# Altium PCB xialeste.PcbDoc (part 7 of 10) (continued)
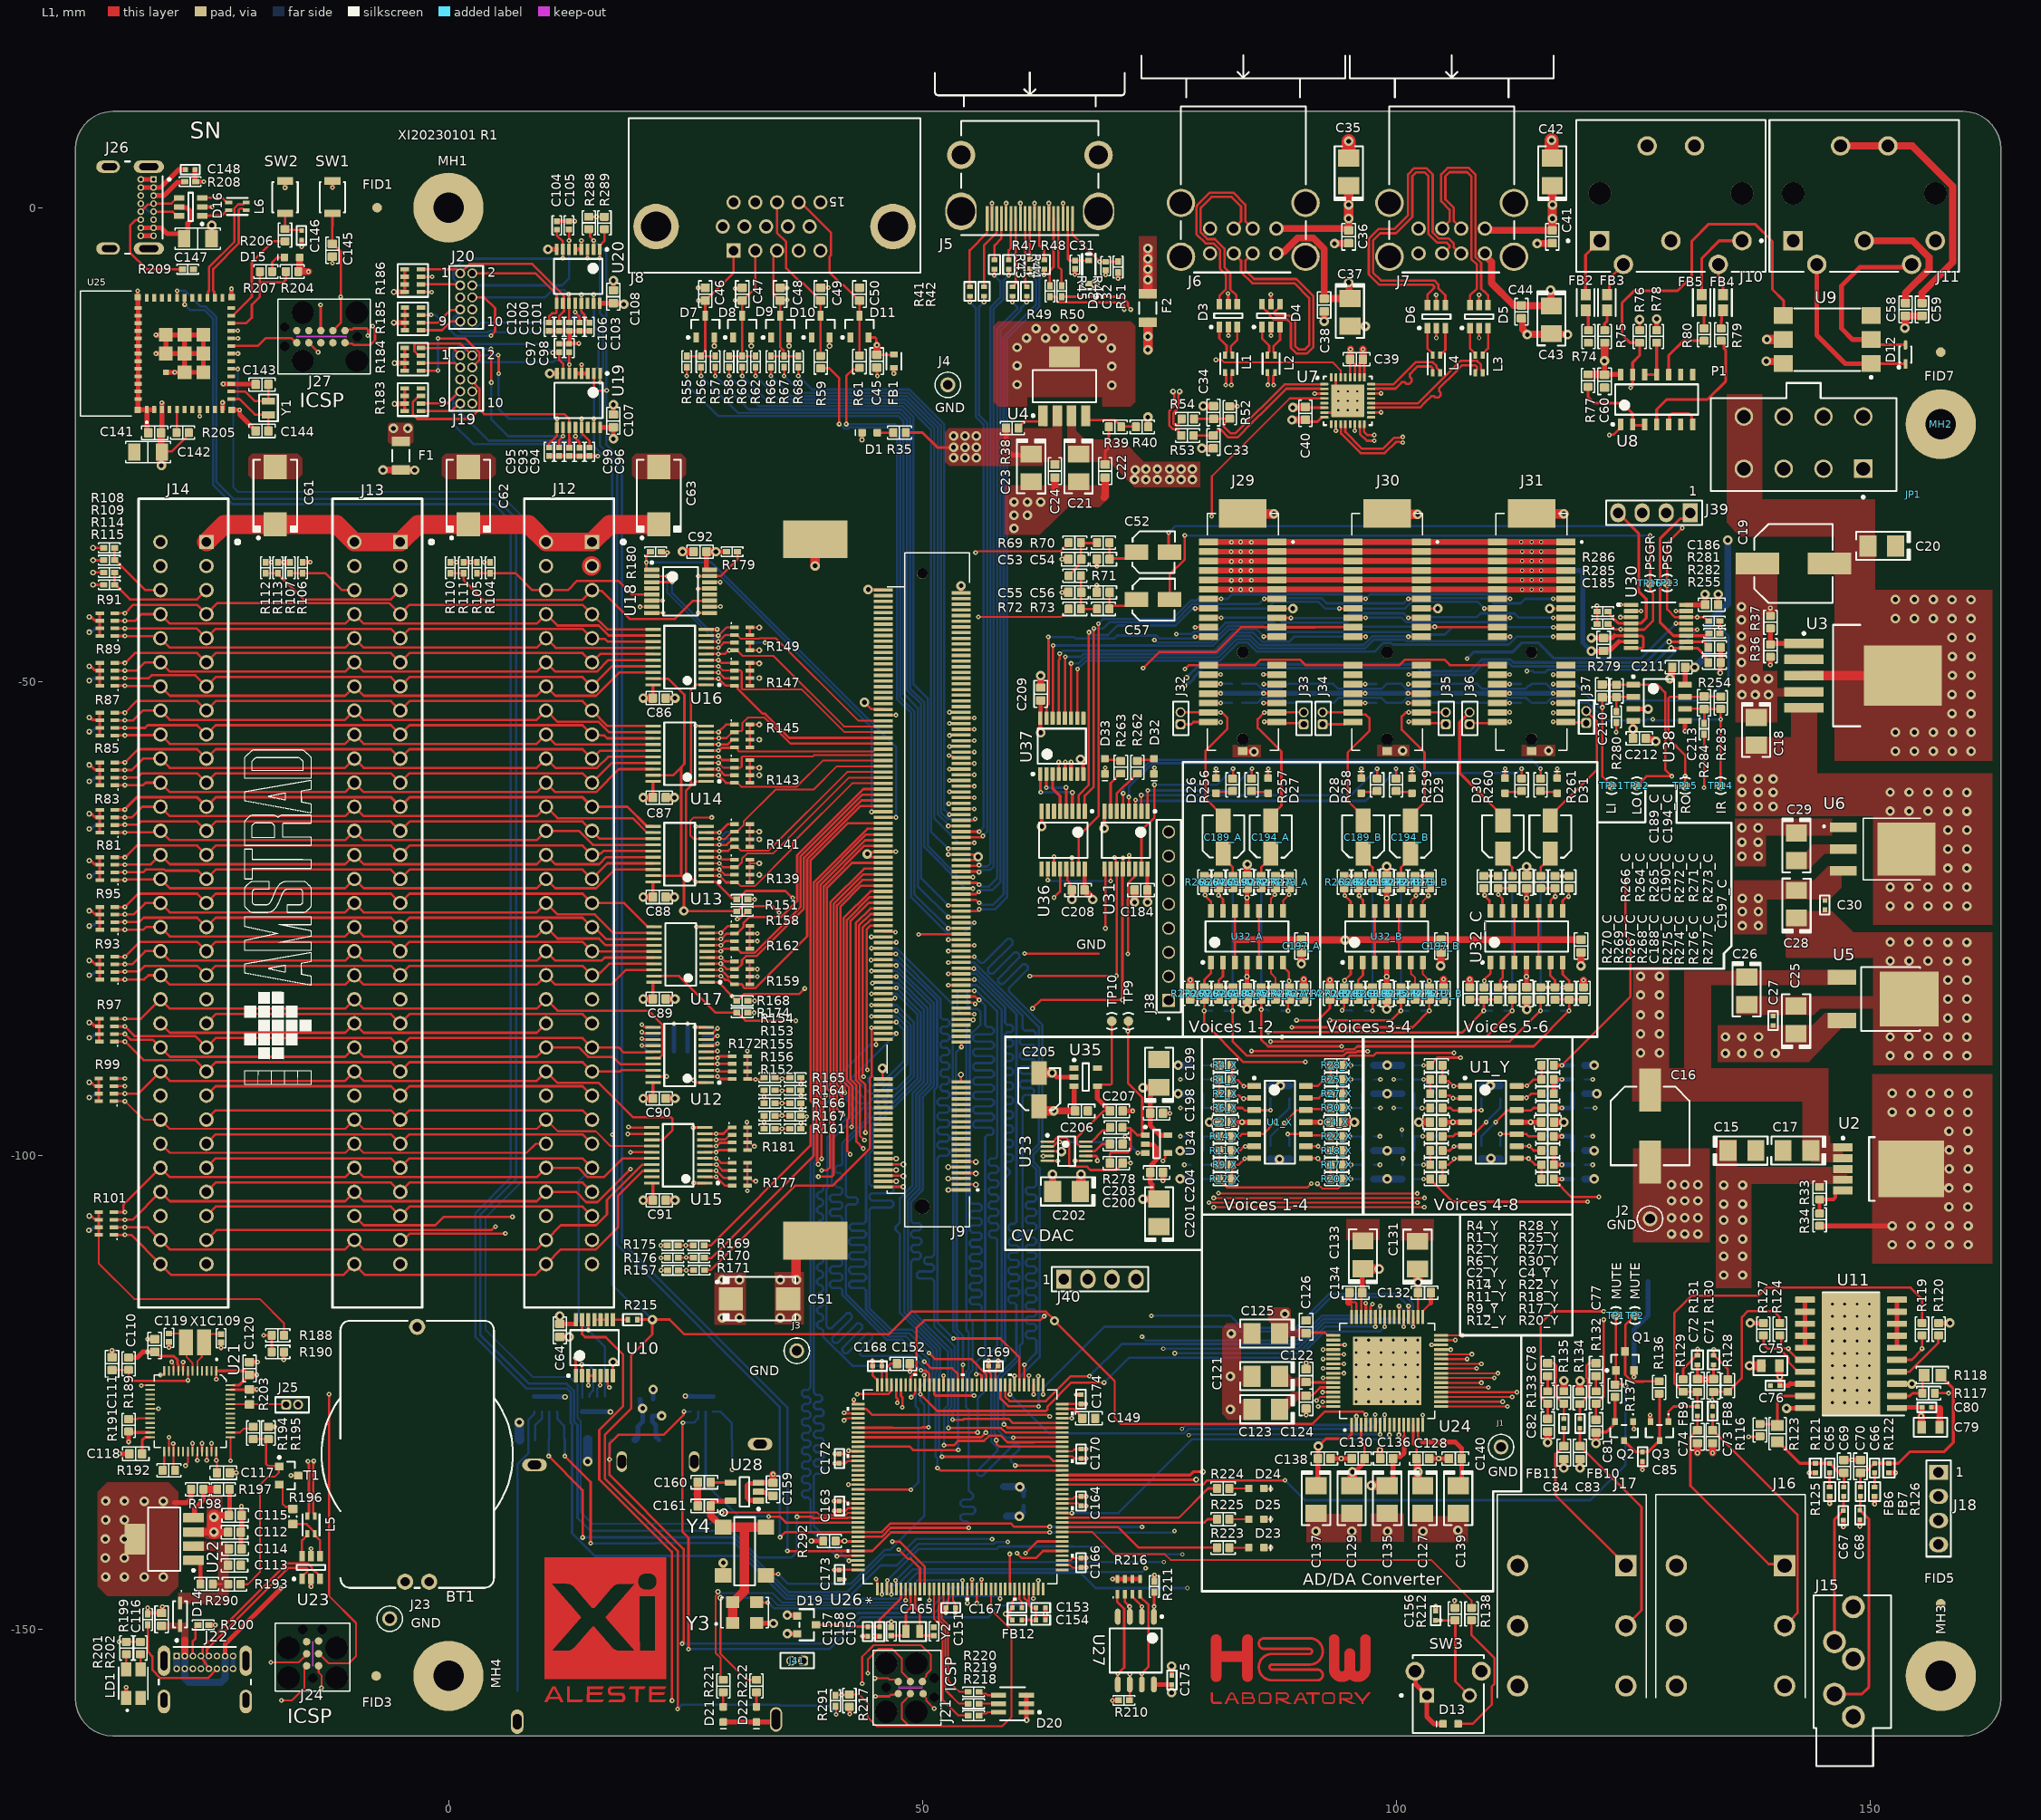
[diagram p0: L1 view]
## Nets (pads, with @x,y where several pads share a name; then routed paths per layer and width w, separated by ;. In a path a pad name is that pad's centre, name@x,y a point inside that pad or via, vN(x,y) a via of type N, cw(c..) or ccw(c..) an arc to the next point about the centre after c; other vN are vias at no path point) (continued)
  L1 w0.2: U21.35@-25,-131.25 v1(-25,-130.4) ; R203.2@-21.05,-124.75 R203.2@-21,-124.7 ; v1(-12.25,-5.85) C145.1@-12.25,-5.175 ; J28.S5@34.29,-159.8 J28.S5@34.57,-159.52 ; C163.2@41.25,-136.5 41.897,-136.5 42.147,-136.75 U26.130@43.224,-136.75 ; C172.2@41.25,-131.5 41.897,-131.5 42.147,-131.75 U26.120@43.224,-131.75 ; U26.107@45.75,-124.224 C168.2@45.75,-122.25 ; J21.5@50.09,-156.81 50.09,-156.97 50.432,-157.312 50.432,-157.567 v1(51.257,-158.391) ; C165.2@52.5,-147.75 52.65,-147.6 52.65,-147.1 52.75,-147 U26.16@52.75,-145.776 ; U26.83@57.75,-124.224 57.75,-122.5 C169.2@58,-122.25 ; U26.31@60.25,-145.776 60.25,-146.85 60.5,-147.1 C167.2@60.5,-147.75 ; U26.38@64.776,-143.25 64.782,-143.256 65.602,-143.256 65.846,-143.5 C166.2@66.75,-143.5 ; U26.51@64.776,-136.75 66.5,-136.75 C164.2@66.75,-137 ; U26.61@64.776,-131.75 65.853,-131.75 66.103,-132 C170.2@66.75,-132 ; v1@67.291,-137 v1(67.297,-137.007) ; D23.1@86.05,-141.4 v1(86.8,-141.4) ; D25.1@86.05,-138.4 v1(86.8,-138.4) ; D24.1@86.05,-135.15 86.1,-135.2 v1@86.7,-135.2 ; U24.48@95.31,-117.05 95.31,-115.81 95,-115.5 95.693,-115.5 95.81,-115.617 U24.47@95.81,-117.05
  L1 w0.25: v1(26.083,-65.305) 26.088,-65.299 27.194,-65.299 U13.10@27.2,-65.294 ; v1(26.083,-54.675) 26.095,-54.688 27.187,-54.688 U14.10@27.2,-54.7 ; v1(26.176,-75.887) U17.10@27.3,-75.887 ; R168.2@31.575,-83.7 v1(32.3,-83.7) ; R151.2@31.575,-73 v1(32.297,-73) ; v2(43.9,-52.2) 44.6,-52.9 45.85,-52.9 J9.158@45.9,-52.95 ; v2(44.3,-40.3) 44.325,-40.325 45.875,-40.325 J9.200@45.9,-40.35 ; v2(45.8,-90.8) 45.8,-91.9 45.85,-91.95 J9.40@45.9,-91.95 ; J9.56@45.9,-83.55 45.95,-83.5 46.974,-83.5 47.06,-83.414 v1(47.114,-83.414) ; J9.106@45.9,-68.55 44.55,-68.55 v2(44.2,-68.2) 44.403,-68.2 44.603,-68 45.85,-68 J9.108@45.9,-67.95 v1(47.2,-67.95) ; v1(52.238,-123.253) 52.244,-123.259 52.244,-124.218 U26.94@52.25,-124.224 ; v3(52.742,-102.467) 52.75,-102.459 54.091,-102.459 J9.5@54.1,-102.45 ; v3(52.742,-101.246) 52.744,-101.248 54.098,-101.248 J9.9@54.1,-101.25 ; v3(52.75,-103.65) J9.1@54.1,-103.65 ; v1(52.75,-68.25) J9.107@54.1,-68.25 54.115,-68.265 55.475,-68.265 55.56,-68.35 55.75,-68.35 v2(55.9,-68.5) 55.55,-68.85 J9.105@54.1,-68.85 ; v1(52.875,-53.25) J9.157@54.1,-53.25 ; v3(54.083,-91.49) 54.083,-92.233 J9.39@54.1,-92.25 ; J9.3@54.1,-103.05 54.126,-103.076 55.627,-103.076 v3(55.653,-103.102) ; J9.7@54.1,-101.85 54.135,-101.885 55.618,-101.885 v3(55.653,-101.921) ; J9.11@54.1,-100.65 54.127,-100.677 55.626,-100.677 v3(55.653,-100.703) ; J9.55@54.1,-83.85 54.15,-83.9 55.432,-83.9 55.557,-84.024 v1(55.576,-84.024) ; J9.199@54.1,-40.65 v2(54.1,-39.9) ; U36.13@65.197,-69.8 65.297,-69.9 65.297,-70.975 65.595,-71.273 65.595,-71.695 C208.1@65.8,-71.9 ; D33.1@69.275,-59.755 69.287,-59.742 69.287,-59.113 v1(69.3,-59.1) ; v5(71.825,-68.35) U31.13@71.825,-69.8 U31.13@71.925,-69.9 ; D32.1@74.45,-59.755 74.475,-59.73 74.475,-59.125 v1(74.5,-59.1) ; D26.1@81,-60.2 81,-59.5 ; D27.1@86.5,-60.2 v1@86.5,-59.375 ; J29.A8@87.42,-42.28 87.43,-42.29 89.09,-42.29 v2(89.1,-42.3) ; U7.28@95.15,-17.9 C39.1@95.15,-16.141 ; C39.1@95.211,-16.08 C39.1@95.15,-16.141 ; U7.27@95.65,-17.9 95.65,-16.55 95.475,-16.375 95.384,-16.375 C39.1@95.15,-16.141 ; D28.1@96.325,-60.2 v1@96.325,-59.375 ; D29.1@101.676,-60.2 v1@101.676,-59.375 ; J30.A8@102.66,-42.28 102.67,-42.29 104.39,-42.29 v2(104.4,-42.3) ; D30.1@111.5,-60.2 v1(111.5,-59.2) ; v2(116.2,-42.3) 116.21,-42.29 117.89,-42.29 J31.A8@117.9,-42.28 ; D31.1@117,-60.2 v1(117,-59.2)
  L1 w0.3: v3(-37.5,-39.8) R115.2@-36.375,-39.8 ; v3(-37.5,-37.2) R109.2@-36.375,-37.2 ; R191.1@-33.75,-129.15 -33.65,-129.25 U21.23@-31.5,-129.25 ; U21.8@-28,-122.75 v1(-28,-121.809) ; U21.47@-23,-124.75 R203.2@-21.05,-124.75 ; U20.4@14.023,-4.406 v1(14.023,-3.478) ; U10.7@17.35,-123.25 17.362,-123.238 17.362,-121.831 v2(17.373,-121.819) ; U18.8@21.45,-42.775 21.462,-42.763 22.637,-42.763 v1(22.65,-42.75) ; v1(22.414,-109.514) R175.2@23.082,-109.514 ; v1(22.429,-110.814) R176.2@23.104,-110.814 ; v1(25.825,-97.075) U15.10@27.05,-97.075 ; v1(25.881,-102.925) U15.1@27.05,-102.925 ; v1(26.025,-86.481) U12.10@27.2,-86.481 ; U16.10@27.2,-44.5 v1(28.357,-44.5) ; C45.1@45.2,-16.875 45.225,-16.9 45.225,-17.725 v1(45.25,-17.75) ; J5.2@57.35,-1.16 v1@57.35,0.45 ; J5.5@58.85,-1.16 v1(58.85,0.465) ; J5.8@60.35,-1.16 v1@60.35,0.45 ; J5.11@61.85,-1.16 v1(61.85,0.465) ; U36.8@62.597,-63.7 U36.8@62.597,-63.7 ; J5.14@63.35,-1.16 v1@63.35,0.45 ; J5.17@64.85,-1.16 v1@64.85,0.45 ; U37.5@65.052,-59.772 65.076,-59.748 65.076,-58.524 v1(65.1,-58.5) ; v1(82.3,-13.5) D3.2@82.3,-12.6 ; v1(86.8,-13.5) D4.2@86.8,-12.6 ; C40.1@90.595,-22.572 90.608,-22.584 91.701,-22.584 92.16,-22.125 U7.8@92.425,-22.125 ; U7.7@92.425,-21.625 93.375,-21.625 U7.33@93.4,-21.6 ; U7.31@93.65,-17.9 93.65,-18.95 U7.33@93.7,-19 ; v1(96.8,-115.6) 96.81,-115.61 U24.45@96.81,-117.05 ; U24.44@97.31,-117.05 97.31,-115.944 97.5,-115.754 v1(97.5,-115.7) ; v1(100.3,-129.5) 100.31,-129.49 U24.11@100.31,-128.45 ; v4(104.25,-13.75) D6.2@104.25,-12.7 ; v4(108.75,-13.75) D5.2@108.75,-12.7 ; U8.5@128.77,-22.875 128.77,-22.975 128.82,-22.925 128.838,-22.907 128.838,-22.012 129.123,-21.727 130.877,-21.727 131.202,-22.052 131.202,-22.867 131.26,-22.925 131.31,-22.975 U8.7@131.31,-22.875
  L1 w0.381: U9.5@140.215,-14.425 140.29,-14.5 U9.5@140.865,-13.925
  L1 w0.4: v1(-34.01,-156.125) -34.005,-156.13 -34.005,-157.245 LD1.1@-34,-157.25 ; U25.50@-32.79,-9.451 v1(-32.79,-8.776) ; v1(-31.75,-147.751) R199.1@-31.75,-148.401 -31.65,-148.301 C116.1@-30.275,-148.301 ; D16.2@-26,0.075 v1(-24.925,0.075) ; R200.1@-25.302,-149.562 v1(-24.602,-149.562) ; C102.1@10.616,-13.005 14.844,-13.005 14.877,-13.038 C103.1@14.883,-13.017 ; C95.1@10.618,-26.202 10.587,-26.205 C96.1@14.897,-26.205 14.909,-26.217 15.745,-26.217 v1(15.757,-26.229) ; C104.1@11.44,-1.438 11.456,-1.422 12.595,-1.422 12.602,-1.43 C105.1@12.715,-1.43 v1(13.345,-1.43) ; C97.1@11.682,-14.372 12.74,-14.372 C98.1@12.741,-14.373 ; C101.1@12.758,-13.007 12.778,-13.007 12.778,-14.207 12.906,-14.335 v1(13.765,-14.335) ; U20.5@13.373,-4.406 13.994,-4.406 U20.4@14,-4.4 ; U19.5@13.4,-17.497 U19.4@14.05,-17.497 ; v1@14.05,-16.532 v1(14.05,-16.572) U19.4@14.05,-17.497 ; U19.3@14.7,-17.5 14.697,-17.497 U19.4@14.05,-17.497 ; v1@26.357,-8.457 27.093,-8.457 C46.1@27.1,-8.45 ; v1@30.26,-8.537 v1@30.25,-8.527 ; v1(30.273,-8.527) v1@30.25,-8.527 ; C47.1@31,-8.45 30.932,-8.518 30.26,-8.518 v1@30.25,-8.527 ; C48.1@35,-8.45 35.01,-8.46 35.74,-8.46 35.75,-8.469 v1@35.74,-8.479 ; C49.1@39.275,-8.45 v1(40.1,-8.45) ; U36.8@62.597,-63.7 62.599,-65.299 v2(62.6,-65.3) ; v2(66.7,-58.2) 66.7,-58.362 66.977,-58.639 66.977,-59.747 U37.8@67.002,-59.772 ; v2(69.2,-65.5) 69.213,-65.487 69.213,-63.713 U31.8@69.225,-63.7
  L1 w0.5: C111.2@-35.5,-121.325 v1(-35.5,-120.595) ; v1(-34.7,-131.5) C118.1@-33.675,-131.5 ; v1(-33.75,-130.25) R191.1@-33.75,-129.15 ; U25.53@-32.79,-21.351 U25.53@-32.765,-21.326 ; U25.50@-32.79,-9.451 -32.765,-9.476 -32.765,-10.576 U25.36@-32.74,-10.601 U25.37@-32.74,-11.401 U25.38@-32.74,-12.201 U25.39@-32.74,-13.001 U25.40@-32.74,-13.801 U25.41@-32.74,-14.601 U25.42@-32.74,-15.401 U25.43@-32.74,-16.201 U25.44@-32.74,-17.001 U25.45@-32.74,-17.801 U25.46@-32.74,-18.601 U25.47@-32.74,-19.401 U25.48@-32.74,-20.201 -32.765,-20.226 U25.53@-32.765,-21.326 ; J26.B1@-32.47,-2.975 J26.A12@-31.12,-2.975 ; J26.B12@-32.47,2.975 J26.A1@-31.12,2.975 ; U25.1@-31.84,-21.301 U25.1@-31.815,-21.326 ; v1(-31.75,-119.405) -31.005,-119.405 C119.1@-31,-119.4 ; C141.2@-31.675,-23.757 -31.815,-23.617 U25.1@-31.815,-21.326 ; U25.2@-31.04,-21.301 -31.065,-21.326 U25.1@-31.815,-21.326 ; v1(-30.865,-15.401) U25.49_2@-29.815,-15.401 ; v1(-30.865,-13.426) U25.49_3@-29.815,-13.426 ; C116.1@-30.275,-148.301 -30.189,-148.215 v1(-30.189,-147.626) ; U25.49_1@-29.815,-17.376 v1(-28.89,-17.376) U25.49_8@-27.84,-17.376 ; v1(-29.5,-120.286) C110.2@-29.5,-119.69 ; -28.93,-136.65 -27.611,-136.65 -27.184,-136.223 -27.184,-135.349 -27.217,-135.317 R198.2@-27.15,-135.25 ; C148.2@-26.75,4 -26.75,2.8 -26.7,2.75 R208.1@-26.675,2.75 v1(-25.809,2.75) ; v1(-24,-120.305) C109.2@-24,-119.75 ; U25.11@-23.84,-21.301 v1(-23.84,-20.569) ; v1(-23.773,-18.601) U25.14@-22.94,-18.601 -22.908,-18.633 -20.382,-18.633 C143.1@-20.35,-18.665 ; C117.1@-23.075,-133.5 v1(-22.4,-133.5) ; U25.52@-22.89,-21.351 v1(-22.045,-21.351) -22.045,-21.82 -20.35,-23.515 C144.1@-20.35,-23.565 ; U25.51@-22.89,-9.451 v1(-22.89,-8.568) ; v1(-21.839,-137.04) -21.839,-137.986 C115.2@-21.825,-138 -21.825,-139.7 C112.1@-21.9,-139.775 -21.9,-141.45 C114.1@-21.825,-141.525 ; R203.2@-21,-124.7 v1(-20.229,-124.7) ; C120.1@-21,-121.825 v1(-20.15,-121.825) ; R195.1@-19,-128.65 v1(-18.307,-128.65) ; R113.2@-18,-37.425 v1(-17.374,-37.425) R107.2@-16.7,-37.425 ; v1(-17.38,-121.584) -17.38,-120.78 R190.1@-17.35,-120.75 ; v1(-17.245,2.101) SW2.1@-17.245,2.8 ; v1(-15.5,-4.151) C146.2@-15.5,-3.423 ; v1(-14.5,-145.5) U23.2@-14.5,-144.7 ; v1(-12.245,2.134) SW1.1@-12.245,2.8 ; R111.2@1.625,-37.4 v1(2.35,-37.4) R105.2@2.975,-37.4 ; v2(10.5,-4.4) 10.503,-4.403 11.42,-4.403 U20.8@11.423,-4.406 ; v2(10.697,-17.497) U19.8@11.45,-17.497 ; C107.1@17.4,-21.825 v2(17.4,-20.8) ; C108.1@17.4,-8.725 v2@17.4,-7.7 ; C86.2@22.925,-51.75 v2@23.65,-51.75 ; D21.1@29,-159.8 D22.1@32.5,-159.8 J28.S5@34.29,-159.8 ; Y4.2@29,-144.33 v2(29,-143) ; Y3.2@32.52,-149.35 32.545,-149.375 34.275,-149.375 v2(34.3,-149.4) ; U28.2@32.725,-135.5 32.8,-135.575 33.459,-135.575 33.609,-135.725 34.05,-135.725 C159.1@34.25,-135.925 ; v3(38.3,-140.7) R292.1@39.55,-140.7 ; v1(40.7,-136.501) 41.249,-136.501 C163.2@41.25,-136.5 ; v1(40.763,-131.5) C172.2@41.25,-131.5 ; C173.2@41.25,-144.75 v1(41.75,-144.75) ; v3(43.638,-24.502) 43.644,-24.496 43.644,-23.756 D1.1@43.65,-23.75 ; v1(43.713,-150.745) 43.718,-150.75 C157.2@44.25,-150.75 ; v1(44.888,-150.75) 45.194,-150.75 C158.2@45.5,-150.75 ; C168.2@45.75,-122.25 v1(45.75,-121.735) ; C150.1@46.725,-149.81 v1(46.725,-149.225) ; C152.2@48.675,-122 48.7,-122.025 v1(48.7,-122.8) ; v1(52.49,-148.27) 52.5,-148.26 C165.2@52.5,-147.75 ; C169.2@58,-122.25 v1(58,-121.7) ; D20.3@60.998,-156.975 D20.2@60.998,-157.875 D20.1@60.998,-158.775 61,-158.775 v3(61,-159.6) ; C154.2@63,-149.05 63,-148.726 ; 62.999,-148.725 62.999,-148.076 C153.2@63,-147.75 ; v1(66.106,-7.053) 66.111,-7.049 C31.1@66.111,-6.466 ; v1(66.25,-125.25) C174.2@66.75,-125.25 ; C166.2@66.75,-143.5 v1(67.3,-143.5) ; C164.2@66.75,-137 v1@67.291,-137 ; C170.2@66.75,-132 v1(67.3,-132) ; v1(69.361,-7.106) C32.1@69.361,-6.596 ; v2(76.3,-153.9) 76.335,-153.935 C175.2@76.335,-154.861 ; SW3.3@102,-154.45 102.047,-154.497 102.047,-155.797 SW3.1@103.25,-157 103.25,-159.25 104,-160 D13.1@104.95,-160 ; v1(104.17,-147.602) 104.177,-147.608 C156.2@104.177,-148.095 ; U25.53@-32.765,-21.326 U25.1@-31.815,-21.326 ; U25.49_2@-29.815,-15.401 U25.49_3@-29.815,-13.426 ; U25.49_2@-29.815,-15.401 U25.49_9@-27.84,-15.401 ; U25.49_3@-29.815,-13.426 U25.49_4@-27.84,-13.426 ; U25.49_8@-27.84,-17.376 U25.49_9@-27.84,-15.401 ; U25.49_8@-27.84,-17.376 U25.49_7@-25.865,-17.376 U25.49_6@-25.865,-15.401 ; U25.49_9@-27.84,-15.401 U25.49_6@-25.865,-15.401 ; U25.49_9@-27.84,-15.401 U25.49_4@-27.84,-13.426 ; U25.49_4@-27.84,-13.426 U25.49_5@-25.865,-13.426 U25.49_6@-25.865,-15.401
  L1 w0.75: C64.2@11.75,-119.15 11.763,-119.163 v2(12.724,-119.163) ; C91.2@22.925,-104.75 23.85,-104.75 v2@23.875,-104.775 ; C90.2@22.925,-94 23.883,-94 v2@23.891,-93.991 ; C89.2@22.925,-83.5 v2@23.785,-83.5 ; C88.2@22.925,-72.75 v2(23.837,-72.75) ; C87.2@22.925,-62.25 v2(23.837,-62.25) ; v2@24.709,-36.309 C92.2@25.875,-36.309 ; C161.1@26.325,-137 26.288,-136.962 26.288,-135.787 26.25,-135.75 26.288,-135.713 26.288,-134.538 C160.1@26.325,-134.5 ; C209.2@62.5,-50.647 v2(62.5,-49.4) ; 64,-30.4 C24.1@64,-28.475 ; C208.1@65.772,-72 65.786,-72.014 65.786,-72.986 v2(65.8,-73) ; 69.2,-30.6 69.2,-30.532 69.3,-30.432 C22.1@69.3,-28.475 ; v2(72.4,-73.3) C184.2@72.4,-72 ; v2(73.8,-22.1) 73.825,-22.125 73.825,-23.111 R40.2@73.85,-23.136 ; v2(79.5,-25.4) 79.502,-25.402 80.715,-25.402 C33.1@80.716,-25.403 ; v2(79.647,-20.947) C34.1@80.737,-20.947 ; v2(89,-22.4) 89.008,-22.392 90.422,-22.392 C40.1@90.431,-22.383 ; v2(92.41,-11.99) C38.1@92.41,-10.953 ; v2(93.5,-3.8) 93.525,-3.775 94.97,-3.775 C36.1@94.995,-3.75 ; 95,-115.5 95,-114.575 C134.2@95.075,-114.5 ; C37.2@95.136,-12.51 v2(96.751,-12.51) ; v1(95.184,-14.949) 95.184,-16.053 C39.1@95.211,-16.08 ; v3(98.3,-131.1) 98.3,-131.975 C136.2@98.325,-132 ; C44.1@113.221,-11.664 113.271,-11.664 113.346,-11.739 113.346,-12.839 113.839,-13.332 v2(113.839,-13.4) 113.887,-13.352 116.337,-13.352 C43.2@116.393,-13.296 ; v2(114.9,-3.8) 114.925,-3.775 116.455,-3.775 C41.1@116.48,-3.75 ; C43.2@116.457,-13.317 116.492,-13.352 118.052,-13.352 v2(118.1,-13.4) ; v2(153.7,-12.7) 153.725,-12.675 153.725,-11.45 C58.2@153.75,-11.425 C59.2@155.5,-11.425
  L1 w1: C147.1@-25.005,-3.284 -25,-3.289 -24.975,-3.264 v2(-24.975,-1.875) ; v2(24.7,-36.3) v2@24.709,-36.309 ; v2@36.7,-113.1 36.7,-110.5 38.2,-109 J9.SH1@38.7,-109 ; v2(38.7,-37.8) J9.SH2@38.7,-35 ; v2(139.129,-13.925) U9.5@140.865,-13.925
  L1 w1.5: C35.2@94.991,5.228 95,5.237 v2(95,7) ; v2(116.4,7.1) 116.4,5.308 C42.2@116.48,5.228
  L1 w2: J12.3@15.08,-37.82 J12.3@15.1,-37.8
  L4 (PWR) w0.5: SW3.3@102,-154.45 SW3.3@102.047,-154.497
  L2 w1: SW3.3@102,-154.45 102,-149.621 104.019,-147.602 v1(104.17,-147.602) ; SW3.3@102.047,-154.497 102.047,-155.797 SW3.1@103.25,-157
  L5 w0.3: v3@-37.866,-65.6 v3@-37.816,-65.55 ; v3@-37.85,-60.55 v3@-37.816,-60.55 ; v3@-37.816,-75.8 v3@-37.816,-75.716
  L6 w0.25: v3(-37.916,-93.9) -37.719,-93.9 -37.394,-93.575 -36.975,-93.575 R100.2@-36.9,-93.5 ; R100.1@-36.9,-94.3 R100.2@-36.9,-93.5 ; R100.4@-36.9,-91.9 R100.3@-36.9,-92.7 R100.2@-36.9,-93.5 ; R173.4@31.544,-91.922 R173.3@31.544,-91.15 R173.2@31.544,-90.35 R173.1@31.544,-89.55 v1(31.544,-89) ; R160.4@31.8,-81.95 R160.3@31.8,-81.15 ; R160.1@31.8,-79.55 R160.2@31.8,-80.35 R160.3@31.8,-81.15 ; R163.4@31.8,-78.2 R163.3@31.8,-77.4 ; R163.1@31.8,-75.8 R163.2@31.8,-76.6 R163.3@31.8,-77.4 ; R140.4@31.8,-71.2 R140.3@31.8,-70.4 ; R140.1@31.8,-68.8 R140.2@31.8,-69.6 R140.3@31.8,-70.4 ; R142.4@31.8,-67.45 R142.3@31.8,-66.65 ; R142.1@31.8,-65.05 R142.2@31.8,-65.85 R142.3@31.8,-66.65 ; R144.4@31.8,-60.7 R144.3@31.8,-59.9 ; R144.1@31.8,-58.3 R144.2@31.8,-59.1 R144.3@31.8,-59.9 ; R146.4@31.8,-56.95 R146.3@31.8,-56.15 ; R146.1@31.8,-54.55 R146.2@31.8,-55.35 R146.3@31.8,-56.15 ; R148.4@31.8,-50.4 R148.3@31.8,-49.65 ; R148.3@31.8,-49.5 31.8,-48.9 R148.2@31.8,-48.85 R148.1@31.8,-48.05 ; R150.3@31.8,-45.9 v1(33.4,-45.9) ; R148.3@31.808,-49.642 v3@32.592,-49.642 ; v1(32.6,-81.15) R160.3@31.8,-81.15 ; v1(32.6,-77.4) R163.3@31.8,-77.4 ; v3@32.6,-70.4 R140.3@31.8,-70.4 ; v3@32.6,-66.65 R142.3@31.8,-66.65 ; v3@32.65,-56.15 R146.3@31.8,-56.15 ; v3@32.7,-59.9 R144.3@31.8,-59.9
  L6 w0.3: v3(-37.94,-107.907) -37.751,-107.907 -37.494,-107.65 -36.95,-107.65 R102.2@-36.9,-107.6 ; v3@-37.9,-87.6 -37.697,-87.6 -37.372,-87.275 -36.925,-87.275 R98.2@-36.85,-87.2 ; v3@-37.829,-81.008 -37.639,-81.008 -37.332,-80.7 -36.95,-80.7 -36.875,-80.625 -36.8,-80.7 R94.1@-36.8,-81.45 ; v3@-37.819,-70.56 -37.63,-70.56 -37.269,-70.2 -36.95,-70.2 -36.884,-70.134 -36.866,-70.134 -36.8,-70.2 R82.1@-36.8,-70.95 ; v3@-37.816,-75.8 -37.682,-75.666 -37.316,-75.666 -37.05,-75.4 R96.2@-36.8,-75.4 ; v3@-37.816,-65.55 -37.686,-65.55 -37.336,-65.2 -36.85,-65.2 R84.2@-36.8,-65.15 ; v3@-37.816,-60.55 -37.686,-60.55 -37.336,-60.2 -36.85,-60.2 R86.2@-36.8,-60.15 ; v3@-37.816,-55.3 -37.686,-55.3 -37.336,-54.95 -36.85,-54.95 R88.2@-36.8,-54.9 ; v3@-37.816,-44.8 -37.686,-44.8 -37.336,-44.45 -36.85,-44.45 R92.2@-36.8,-44.4 ; R102.1@-36.9,-108.4 R102.2@-36.9,-107.6 ; R102.4@-36.9,-106 R102.3@-36.9,-106.8 R102.2@-36.9,-107.6 ; R98.1@-36.85,-88 R98.2@-36.85,-87.2 ; R98.4@-36.85,-85.6 R98.3@-36.85,-86.4 R98.2@-36.85,-87.2 ; R94.2@-36.8,-80.65 R94.3@-36.8,-79.85 R94.4@-36.8,-79.05 ; R96.1@-36.8,-76.2 R96.2@-36.8,-75.4 ; R96.4@-36.8,-73.8 R96.3@-36.8,-74.6 R96.2@-36.8,-75.4 ; R82.2@-36.8,-70.15 R82.3@-36.8,-69.35 R82.4@-36.8,-68.55 ; R84.1@-36.8,-65.95 R84.2@-36.8,-65.15 ; R84.4@-36.8,-63.55 R84.3@-36.8,-64.35 R84.2@-36.8,-65.15 ; R86.1@-36.8,-60.95 R86.2@-36.8,-60.15 ; R86.4@-36.8,-58.55 R86.3@-36.8,-59.35 R86.2@-36.8,-60.15 ; R88.1@-36.8,-55.7 R88.2@-36.8,-54.9 ; R88.4@-36.8,-53.3 R88.3@-36.8,-54.1 R88.2@-36.8,-54.9 ; R92.1@-36.8,-45.2 R92.2@-36.8,-44.4 ; R92.4@-36.8,-42.8 R92.3@-36.8,-43.6 R92.2@-36.8,-44.4 ; v1(31.5,-96.5) 31.5,-97 R182.1@31.55,-97.05 R182.2@31.55,-97.85 R182.3@31.55,-98.65 R182.4@31.55,-99.45 ; v1(31.55,-103.75) R178.4@31.55,-103.2 R178.3@31.55,-102.4 R178.2@31.55,-101.6 R178.1@31.55,-100.8
  L6 w0.4: v1@26.357,-8.457 v1@26.35,-8.463 ; v1(26.363,-8.463) v1@26.35,-8.463 ; R63.1@27.1,-8.55 27.023,-8.473 26.36,-8.473 v1@26.35,-8.463 ; v1@30.26,-8.537 30.987,-8.537 R64.1@31,-8.55 ; v1(30.273,-8.527) v1@30.3,-8.5 ; R65.1@35,-8.55 35.071,-8.479 v1(35.721,-8.479) v1@35.74,-8.479
  L6 w0.45: 60.6,-137.6 60.675,-137.525 60.675,-137.025 C171.2@60.7,-137
  L6 w0.5: J22.B1@-22.725,-154.187 J22.A12@-22.725,-152.837 ; J28.3@22.195,-130.02 21.895,-129.72 21.895,-128.495 21.5,-128.1 C155.2@21.5,-127.5 v2(22.5,-127.5) ; R287.8@23.8,-89 R287.7@23.8,-88.2 R287.6@23.8,-87.4 R287.5@23.8,-86.6 v1(23.8,-86.117) ; R187.5@25.225,-89.009 R187.6@25.225,-88.209 R187.7@25.225,-87.409 R187.8@25.225,-86.609 v1(25.225,-86.107)
  L6 w0.75: J22.B12@-28.675,-154.187 J22.A1@-28.675,-152.837 ; C162.2@58.9,-138.1 58.919,-138.081 60.217,-138.081 v2(60.248,-138.112) 60.248,-138.044 60.6,-137.692
  L6 w1: v2(7.472,-128.188) 7.472,-129.972 J28.11@7.52,-130.02 ; J28.6@14.695,-130.02 14.7,-130.025 v2(14.7,-132.3)
  other v1: 62.999,-148.401 86.8,-135.2 81,-59.2 86.5,-59.2 96.325,-59.2 101.676,-59.2 93.9,-21.375 94.9,-21.375 95.9,-21.375 93.9,-20.375 94.9,-20.375 95.9,-20.375 93.9,-19.375 94.9,-19.375 95.9,-19.375 57.35,0.465 60.35,0.465 63.35,0.465 64.85,0.465
  other v2: -32.1,-144.5 -30.1,-144.5 -36.181,-144.483 -34.181,-144.483 -36.2,-142.5 -34.2,-142.5 -36.2,-140.5 -34.2,-140.5 -36.181,-138.483 -34.181,-138.483 -32.1,-136.5 -30.1,-136.5 -36.181,-136.483 -34.181,-136.483 35.012,-117.137 36.712,-117.137 35.012,-113.137 36.712,-113.137 23.9,-104.75 23.9,-94 23.9,-83.5 23.9,-51.75 59.691,-33.852 59.691,-32.452 61.091,-32.452 59.691,-31.052 61.091,-31.052 62.491,-31.052 70,-18.75 59.999,-18.672 70,-16.75 59.999,-16.672 69.937,-14.813 60,-14.75 61,-13.75 63,-13.75 65,-13.75 67,-13.75 69,-13.75 62,-12.75 64,-12.75 66,-12.75 68,-12.75 17.4,-7.7
  other v3: -37.916,-87.6 -37.916,-81.008 -37.916,-75.8 -37.916,-70.56 32.8,-70.4 32.8,-66.65 -37.916,-65.55 -37.916,-60.55 32.8,-59.9 32.8,-56.15 -37.916,-55.3 32.8,-49.635 -37.916,-44.8
  other v6: 99.093,-139.672
GPIO0: C144.2 U25.12 Y1.2 | length 6.3
  L1 w0.25: U25.12@-22.94,-20.201 -22.049,-20.201 -20.41,-21.84 -20.084,-21.84 -20.059,-21.865 Y1.2@-19,-21.865 C144.2@-19,-23.565
GPIO1: C143.2 U25.13 Y1.1 | length 6.1
  L1 w0.25: U25.13@-22.94,-19.401 -21.445,-19.401 -20.43,-20.415 Y1.1@-19,-20.415 C143.2@-19,-18.665
GPIO2: R205.2 U25.5 | length 2.5
  L1 w0.25: R205.2@-28.7,-23.75 -28.67,-23.72 -28.67,-21.331 U25.5@-28.64,-21.301
GREEN: C47.2 D8.3 J8.2 R58.1 R60.2 R62.2 R64.2 | length 16.1
  L1 w0.25: R58.1@29.6,-15.675 R60.2@31,-15.675 ; v1@30.263,-9.787 30.987,-9.787 C47.2@31,-9.8 ; J8.2@32.38,-4.53 32.38,-8.47 31.05,-9.8 C47.2@31,-9.8 ; R62.2@32.4,-15.675 R60.2@31,-15.675 ; R60.2@31,-15.675 D8.3@31,-11.4 C47.2@31,-9.8
  L6 w0.25: v1@30.262,-9.787 30.25,-9.775 v1(30.275,-9.775) 30.925,-9.775 R64.2@31,-9.7
HDMI_CK_N: J9.87 R48.2 | length 73.3
  L1 w0.254: J9.87@54.1,-74.25 55.763,-74.25 55.968,-74.045 v1(56.021,-74.045) ; v1(62.862,-7.077) 62.869,-7.07 62.869,-6.511 R48.2@62.876,-6.504
  L6 w0.254: v1@56.044,-74.045 57.692,-74.045 58.954,-72.783 58.954,-13.796 62.354,-10.396 62.354,-7.585 v1(62.862,-7.077)
HDMI_CK_P: J9.91 R47.2 | length 72.8
  L1 w0.254: J9.91@54.1,-73.05 55.673,-73.05 55.968,-73.345 v1(56.021,-73.345) ; R47.2@61.376,-6.444 61.38,-6.448 61.38,-7.029 v1(61.385,-7.034)
  L6 w0.254: v1(56.021,-73.345) 56.044,-73.345 56.268,-73.569 57.468,-73.569 58.6,-72.437 58.6,-13.649 62,-10.249 62,-7.649 v1(61.385,-7.034)
HDMI_D0_N: J9.93 R46.2 | length 67.6
  L1 w0.254: J9.93@54.1,-72.45 55.649,-72.45 55.903,-72.196 v1(55.956,-72.196) ; v1@61.012,-9.925 61.018,-9.919 61.018,-9.351 R46.2@61.026,-9.344
  L6 w0.254: v1(55.956,-72.196) 56.009,-72.196 56.199,-72.006 57.387,-72.006 58.246,-71.147 58.246,-12.997 60.441,-10.802 60.441,-10.537 v1(61.01,-9.967)
HDMI_D0_P: J9.97 R45.2 | length 66.9
  L1 w0.254: J9.97@54.1,-71.25 55.74,-71.25 55.936,-71.446 v1(55.989,-71.446) ; v1@59.522,-9.957 59.517,-9.952 59.517,-9.353 R45.2@59.526,-9.344
  L6 w0.254: v1(55.989,-71.446) 56.03,-71.446 56.236,-71.652 57.024,-71.652 57.892,-70.784 57.892,-12.85 60.035,-10.707 60.035,-10.497 v1(59.508,-9.97)
HDMI_D1_N: J9.101 R44.2 | length 67.4
  L1 w0.25: J9.101@54.1,-70.05 55.872,-70.05 55.942,-70.12 v1(55.996,-70.12) ; R44.2@59.126,-6.504 59.126,-7.031 59.195,-7.1 v1@59.2,-7.1
  L6 w0.25: v1(55.996,-70.12) 56.004,-70.12 56.242,-69.882 57.171,-69.882 57.54,-69.513 57.54,-10.66 58.58,-9.62 58.58,-7.674 v1(59.13,-7.123)
HDMI_D1_P: J9.103 R43.2 | length 66.8
  L1 w0.25: J9.103@54.1,-69.45 55.862,-69.45 55.942,-69.37 v1(55.996,-69.37) ; v1@57.6,-7.2 57.615,-7.185 57.615,-6.515 R43.2@57.626,-6.504
  L6 w0.25: v1(55.996,-69.37) 56.05,-69.37 56.212,-69.532 56.861,-69.532 57.19,-69.203 57.19,-10.515 58.23,-9.475 58.23,-7.75 v1(57.603,-7.123)
HDMI_D2_N: J9.113 R42.2 | length 60.1
  L1 w0.254: J9.113@54.1,-66.45 56.183,-66.45 56.333,-66.3 v1(56.4,-66.3) ; v1(56.515,-9.947) 56.521,-9.942 56.521,-9.349 R42.2@56.526,-9.344
  L6 w0.254: v1(56.4,-66.3) 56.4,-66.284 56.838,-65.846 56.838,-22.738 56,-21.9 56,-10.463 v1(56.515,-9.947)
HDMI_D2_P: J9.115 R41.2 | length 59.2
  L1 w0.254: J9.115@54.1,-65.85 v1(56.003,-65.85) ; v1(55.019,-9.968) 55.023,-9.965 55.023,-9.347 R41.2@55.026,-9.344
  L6 w0.254: v1(55.019,-9.968) 55.646,-10.595 55.646,-22.047 56.459,-22.859 56.459,-65.394 v1(56.003,-65.85)
HP_OUT_L: C66.1 C70.2 FB7.1 R118.2 R122.2 | length 20.3
  L1 w0.3: FB7.1@149,-135 C70.2@149,-133.5 149.3,-133.2 149.8,-133.2 C66.1@150.5,-132.5 153,-132.5 154.2,-131.3 157.8,-131.3 158.8,-130.3 158.8,-124.625 157.475,-123.3 R118.2@157.475,-123.2
HP_OUT_R: C65.1 C69.2 FB6.1 R121.2 R123.2 | length 9.9
  L1 w0.3: R123.2@140.25,-130.25 140.35,-130.25 142.6,-132.5 R121.2@144.3,-132.5 ; R121.2@144.25,-132.5 C65.1@145.75,-132.5 146.75,-133.5 C69.2@147.25,-133.5 FB6.1@147.25,-135
HSYNC_CON: C49.2 D10.3 J8.13 R59.1 | length 18.2
  L1 w0.25: J8.13@34.67,0.55 34.67,-2.636 35.645,-3.611 35.645,-6.395 37.185,-7.935 37.36,-7.935 39.225,-9.8 C49.2@39.275,-9.8 D10.3@39.275,-11.4 R59.1@39.275,-15.65
I2C1_SCL: R289.1 U19.1 U20.1 U24.42 U26.136 | length 234.4
  L1 w0.25: U20.1@15.939,-4.391 15.939,-4.04 16.456,-3.524 R289.1@16.456,-2.269 ; U20.1@15.973,-4.406 v1(15.973,-5.331) v1@15.998,-5.351 ; v1(16,-18.422) U19.1@16,-17.497 ; v1(35.004,-140.302) 35.556,-139.75 U26.136@43.224,-139.75 45.742,-139.75 46.649,-138.843 59.343,-138.843 59.7,-139.2 v1(63.452,-139.2) ; U24.42@98.31,-117.05 v1(98.31,-115.91) v1@98.31,-115.81
  L3 w0.25: v1(73.19,-139.225) 73.19,-119.155 v1(73.193,-119.152)
  L6 w0.25: v1@15.998,-5.351 15.973,-5.376 15.973,-11.122 16.312,-11.46 16.312,-17.197 16,-17.509 v1(16,-18.422) 16,-25.1 17.8,-26.9 17.8,-109.4 34.947,-126.547 34.947,-140.068 34.965,-140.087 34.965,-140.264 v1(35.004,-140.302) ; v1(63.452,-139.2) 63.464,-139.212 73.178,-139.212 v1(73.19,-139.225) ; v1@73.156,-119.133 73.57,-119.547 89.544,-119.547 92.166,-116.925 97.295,-116.925 v1(98.31,-115.91)
I2C1_SDA: R288.1 U19.2 U20.2 U24.43 U26.140 | length 236
  L1 w0.25: R288.1@14.805,-2.258 14.957,-2.41 14.957,-3.058 15.313,-3.413 v1@15.372,-3.413 ; U20.2@15.323,-4.406 15.323,-3.481 v1@15.35,-3.525 ; U19.2@15.35,-17.497 15.35,-18.95 15.7,-19.3 v5(16.7,-19.3) ; v1(35.766,-141.758) 40.871,-141.758 40.879,-141.75 U26.140@43.224,-141.75 44.732,-141.75 46.689,-139.793 63.445,-139.793 v1(63.452,-139.8) ; v1(97.81,-118.1) U24.43@97.81,-117.05
  L3 w0.25: v1(76.623,-139.642) 76.623,-120.904 v1(76.644,-120.883)
  L6 w0.25: v1(15.323,-3.478) 16.662,-4.816 16.662,-25.039 18.3,-26.677 18.3,-109.145 35.766,-126.612 v1(35.766,-141.758) ; v1(63.452,-139.8) 76.397,-139.8 76.556,-139.642 v1(76.623,-139.642) ; v1(76.644,-120.883) 89.693,-120.883 89.798,-120.778 91.995,-118.582 92.526,-118.05 97.583,-118.05 97.585,-118.052 97.762,-118.052 v1(97.81,-118.1)
I2S_LR: U24.6 U26.3 | length 69.3
  L1 w0.2: v1(97.794,-127.364) 97.81,-127.38 U24.6@97.81,-128.45
  L1 w0.25: U26.3@46.25,-145.776 46.265,-145.761 46.265,-144.961 46.325,-144.901 v1(46.325,-144.847)
  L3 w0.25: v4(77.4,-128.859) 77.429,-128.888 77.429,-142.078 v4(77.458,-142.107)
  L6 w0.25: v1(46.325,-144.847) 49.647,-141.525 57.875,-141.525 58.129,-141.271 65.906,-141.271 65.919,-141.284 69.391,-141.284 70.214,-142.107 v4(77.458,-142.107) ; v4(77.4,-128.859) 77.454,-128.859 77.846,-128.466 96.691,-128.466 97.751,-127.406 97.794,-127.406 v1(97.794,-127.364)
I2S_SCL: U24.7 U26.4 | length 70.8
  L1 w0.2: U24.7@98.31,-128.45 98.312,-128.452 98.312,-129.448 v1(98.314,-129.45)
  L1 w0.25: v1(46.75,-146.325) U26.4@46.75,-145.776
  L3 w0.25: v4(77.985,-145.675) 77.985,-129.742 78.136,-129.591 v4(78.136,-129.536)
  L6 w0.25: v1(46.75,-146.325) 46.76,-146.315 47.215,-146.315 49.484,-144.046 66.679,-144.046 68.308,-145.675 v4(77.985,-145.675) ; v4(78.136,-129.536) 78.191,-129.536 78.277,-129.45 v1(98.314,-129.45)
IMX0: R255.2 U26.56 U30.10 | length 161.3
  L1 w0.3: U26.56@64.776,-134.25 64.786,-134.26 78.865,-134.26 v3(78.9,-134.225) ; v3(128.819,-45.806) 128.829,-45.815 130.59,-45.815 U30.10@130.6,-45.825 132.499,-45.825 132.675,-46.001 132.675,-46.125 R255.2@132.95,-46.4
  L3 w0.3: v3(77.9,-49.6) 77.3,-49.6 75.867,-51.033 75.867,-55.445 77.635,-57.213 77.635,-80.892 77.4,-81.127 77.4,-87.6 74.9,-90.1 74.9,-98.033 75.95,-99.083 75.95,-111.05 78.9,-114 v3(78.9,-134.225)
  L6 w0.3: v3(77.9,-49.6) 79.317,-48.183 102.483,-48.183 103.217,-48.917 107.817,-48.917 109.051,-47.683 112.083,-47.683 112.4,-48 126.354,-48 128.548,-45.806 v3(128.819,-45.806)